# Altium PCB Fri3D_2026_02.PcbDoc (part 3 of 3)
Units mm, origin at the board's own origin, x right, y up, seen from the top; angles counter-clockwise.
Board outline 119 x 54 mm, 2 copper layers (Top Layer, Bottom Layer), stack 1.571 mm thick; 122 components, 92 nets, 487 pads, 187 vias.
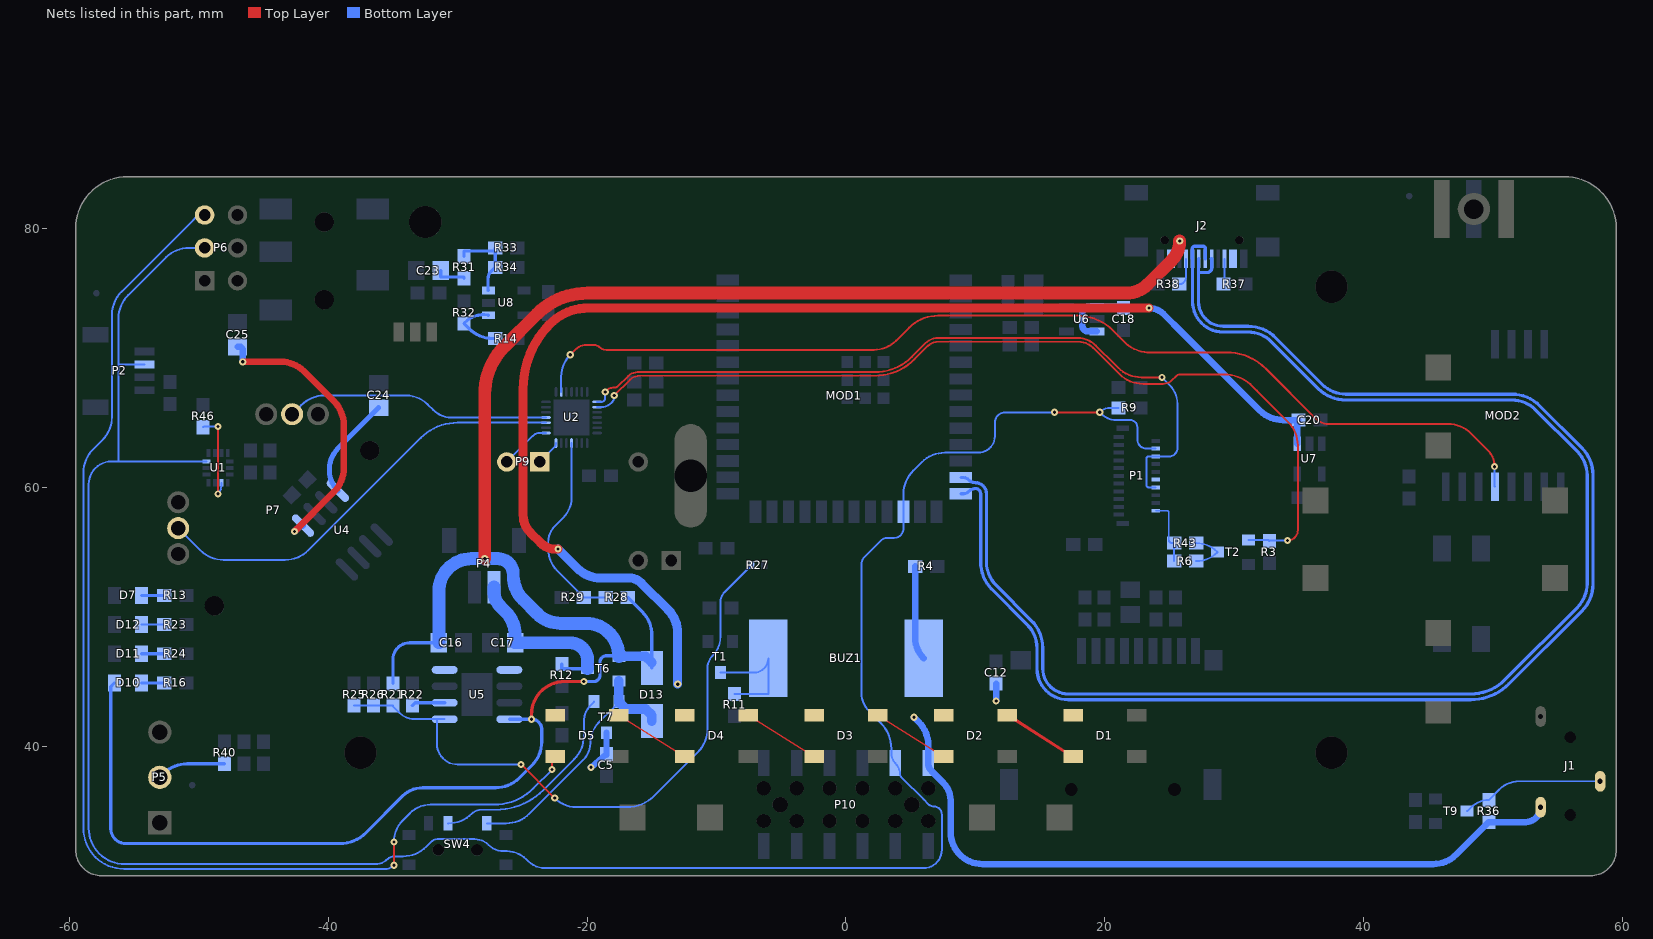
[diagram p3: the nets of this part, all layers, seen from the top]

## Via types
v1: diameter 0.55, hole 0.25, Top Layer to Bottom Layer, 187 vias

## Nets (pads, with @x,y where several pads share a name; then routed paths per layer and width w, separated by ;. In a path a pad name is that pad's centre, name@x,y a point inside that pad or via, vN(x,y) a via of type N, cw(c..) or ccw(c..) an arc to the next point about the centre after c; other vN are vias at no path point) (continued)
I2C.SDA: MOD1.17 P1.18 P2.3 P6.3 P10.9 R9.2 U1.14 | length 187.1
  Top Layer w0.15: v1(16.1,65.8) v1(19.6,65.8)
  Bottom Layer w0.146: P10.9@4.17,37.83 ccw(c4.648,37.928) 4.303,37.583 5.988,35.897
  Bottom Layer w0.15: P2.3@-54.2,69.5 -56.2,69.5 ; P6.3@-49.54,78.5 -50.748,78.5 ccw(c-50.748,75.96) -52.544,77.756 -55.456,74.844 ccw(c-53.66,73.048) -56.2,73.048 -56.2,69.5 ; U1.14@-49.4,62 -56.2,62 ; P10.9@4.17,37.83 4.17,37.832 ccw(c2.942,37.832) P10.9@3.81,38.7 cw(c4.558,39.448) 3.5,39.448 3.5,39.817 ccw(c0.644,39.817) 2.664,41.836 1.785,42.715 cw(c3.199,44.128) 1.2,44.128 1.2,54.055 cw(c2.033,54.055) 1.444,54.644 2.675,55.875 cw(c3.218,55.332) 3.054,56.082 cw(c3.218,55.332) 3.218,56.1 3.7,56.1 ccw(c3.7,56.845) 4.445,56.845 MOD1.17@4.445,58.125 4.445,59.493 cw(c6.985,59.493) 5.189,61.289 5.84,61.94 cw(c7.636,60.144) 7.636,62.684 10.223,62.684 ccw(c10.223,63.961) 11.5,63.961 11.5,64.991 cw(c12.309,64.991) 12.309,65.8 v1(16.1,65.8) ; 5.988,35.897 6.352,35.533 ccw(c6.804,35.985) 6.804,35.346 cw(c6.804,34.75) 7.4,34.75 7.4,32 cw(c6,32) 6,30.6 -23.229,30.6 cw(c-23.229,32.541) -24.705,31.281 ccw(c-26.2,29.786) -26.2,31.9 -26.434,31.9 cw(c-26.434,33.566) -27.612,32.388 ccw(c-28.682,31.318) -28.682,32.831 -31.55,32.831 ccw(c-31.55,32.145) -32.036,32.63 -32.422,32.244 cw(c-34.218,34.04) -34.218,31.5 -34.917,31.5 ccw(c-34.917,30.817) -35.4,31.3 cw(c-36.366,32.266) -36.366,30.9 -55.709,30.9 cw(c-55.709,33.691) -58.5,33.691 -58.5,60.238 cw(c-56.738,60.238) -56.738,62 -56.2,62 ; R9.2@21.05,66.134 20.406,66.134 ccw(c20.406,64.994) v1(19.6,65.8) 19.705,65.695 ccw(c20.9,66.89) 20.9,65.2 21.966,65.2 cw(c21.966,64.666) 22.5,64.666 22.5,63.7 ccw(c23.205,63.7) 23.205,62.995 P1.18@23.928,62.995 ; -56.2,62 -56.2,69.5
JOY.X: P7.2 U2.11 | length 20.6
  Bottom Layer w0.15: P7.2@-42.783,65.652 -42.082,66.353 cw(c-40.286,64.557) -40.286,67.097 -33.984,67.097 cw(c-33.984,64.716) -32.3,66.4 -31.885,65.985 ccw(c-30.473,67.396) -30.473,65.4 U2.11@-23.175,65.4
JOY.Y: P7.5 U2.10 | length 33.4
  Bottom Layer w0.15: P7.5@-51.583,56.852 -49.875,55.144 ccw(c-48.079,56.94) -48.079,54.4 -43.323,54.4 ccw(c-43.323,56.94) -41.527,55.144 -32.843,63.827 cw(c-30.013,60.998) -30.013,65 U2.10@-23.175,65
LCD.BL: R3.2 T2.1 U2.23 | length 71
  Top Layer w0.15: v1(-17.9,67.1) -16.683,68.317 cw(c-15.947,67.581) -15.947,68.622 2.229,68.622 ccw(c2.229,72.951) 5.29,69.89 6.324,70.924 cw(c7.11,70.138) 7.11,71.25 17.967,71.25 cw(c17.967,69.666) 18.546,71.14 ; 18.547,71.14 cw(c17.872,69.522) 19.09,70.783 ; 19.091,70.782 21.129,68.744 ccw(c22.925,70.54) 22.925,68 23.066,68 24.476,68 ccw(c24.476,69.024) 25.2,68.3 25.456,68.556 cw(c25.889,68.124) 25.889,68.735 29.174,68.735 cw(c29.174,65.593) 31.23,67.97 cw(c31.131,67.856) 31.238,67.962 31.73,67.47 ; 31.728,67.472 34.156,65.044 cw(c32.36,63.248) 34.9,63.248 34.9,56.7 cw(c34.1,56.7) v1(34.1,55.9)
  Bottom Layer w0.15: U2.23@-19.225,66.2 -18.908,66.2 ccw(c-18.908,67.325) -18.113,66.529 ccw(c-18.655,67.071) -17.888,67.071 v1(-17.9,67.1) ; T2.1@31.1,55.95 32.6,55.95 R3.2@32.7,55.85 cw(c32.75,55.85) 32.75,55.9 v1(34.1,55.9)
LCD.LED_K: R6.2 R43.2 T2.3 | length 3.7
  Bottom Layer w0.15: R6.2@27.05,54.3 ccw(c27.05,56.593) 28.672,54.972 T2.3@28.7,55 28.672,55.028 ccw(c27.05,53.406) R43.2@27.05,55.7
LCD.R\S\T\: P1.8 P1.16 U2.22 | length 58.3
  Top Layer w0.15: v1(-18.6,67.375) -18.469,67.506 cw(c-18,67.036) -18,67.7 -17.882,67.7 ccw(c-17.882,68.082) -17.612,67.812 -16.823,68.6 cw(c-16.1,67.877) -16.1,68.9 2.227,68.9 ccw(c2.227,72.94) 5.083,70.083 6.134,71.134 cw(c7.138,70.131) 7.138,71.55 17.872,71.55 cw(c17.872,69.522) 19.306,70.956 20.788,69.474 21.017,69.244 ccw(c22.813,71.04) 22.813,68.5 v1(24.4,68.5)
  Bottom Layer w0.15: U2.22@-19.225,66.6 -18.9,66.6 ccw(c-18.9,66.9) -18.6,66.9 v1(-18.6,67.375) ; P1.8@23.928,59.995 23.405,59.995 cw(c23.405,60.2) 23.2,60.2 23.2,62.2 cw(c23.395,62.2) 23.395,62.395 P1.16@23.928,62.395 24.957,62.395 ccw(c24.957,63.038) 25.6,63.038 25.6,66.448 ccw(c23.543,66.448) 24.997,67.903 v1(24.4,68.5)
LCD.TE: P1.10
LED.DOUT: D5.2 P6.5 | length 94.8
  Top Layer w0.15: v1(-34.917,30.817) v1(-34.917,32.6) ; v1(-22.7,38.2) -22.7,39.2 D5.2@-22.45,39.2
  Bottom Layer w0.15: P6.5@-49.54,81.04 ccw(c-49.54,79.833) -50.394,80.686 -55.956,75.124 ccw(c-54.16,73.328) -56.7,73.328 -56.7,65.452 cw(c-59.24,65.452) -57.444,63.656 -58.156,62.944 ccw(c-56.36,61.148) -58.9,61.148 -58.9,33.665 ccw(c-55.762,33.665) -55.762,30.527 -35.618,30.527 ccw(c-35.618,31.518) v1(-34.917,30.817) ; v1(-34.917,32.6) -34.917,32.612 cw(c-32.529,32.612) -34.218,34.3 -33.678,34.84 cw(c-32.085,33.247) -32.085,35.5 -27.18,35.5 ccw(c-27.18,39.797) -24.141,36.759 v1(-22.7,38.2)
LORA.RESET: MOD2.5 U2.16 | length 81.8
  Top Layer w0.15: v1(-21.3,70.244) -20.908,70.635 cw(c-20.028,69.755) -20.028,71 -19.428,71 cw(c-19.428,70.456) -19.043,70.841 ccw(c-18.517,71.367) -18.517,70.623 2.152,70.623 ccw(c2.152,73.058) 3.874,71.336 4.875,72.337 cw(c7.118,70.095) 7.118,73.266 17.869,73.266 cw(c17.87,69.39) 20.611,72.13 21.328,71.413 21.57,71.171 ccw(c23.366,72.967) 21.977,70.84 ccw(c23.502,73.417) 23.069,70.454 ccw(c23.468,73.339) 23.465,70.427 23.559,70.427 29.418,70.427 cw(c29.417,66.204) 32.403,69.189 36.281,65.311 ccw(c37.274,66.304) 37.274,64.9 46.501,64.9 cw(c46.501,62.36) 48.297,64.156 49.568,62.885 cw(c48.283,61.6) v1(50.1,61.6)
  Bottom Layer w0.15: U2.16@-22,67.375 -22,68.554 cw(c-19.61,68.554) v1(-21.3,70.244) ; v1(50.1,61.6) 50.1,60.081 MOD2.5@50.131,60.05
NetBUZ1_1: BUZ1.1 R11.1 T1.3 | length 9.7
  Bottom Layer w0.15: T1.3@-9.7,45.7 -7.1,45.7 ccw(c-7.1,46.8) BUZ1.1@-6,46.8 -6,44.05 R11.1@-8.6,44.05
NetBUZ1_2: BUZ1.2 R4.1 | length 7.3
  Bottom Layer w0.5: R4.1@5.35,53.9 5.35,48.369 ccw(c7.569,48.369) BUZ1.2@6,46.8
NetC23_2: C23.2 R31.2 | length 2.4
  Bottom Layer w0.25: C23.2@-31.3,76.75 -31.3,76.25 -29.5,76.25 R31.2@-29.5,76.15
NetC24_2: C24.2 U4.8 | length 8.1
  Bottom Layer w0.4: U4.8@-39.25,59.744 cw(c-37.681,61.313) -39.9,61.313 -39.9,61.4 cw(c-37.606,61.4) -39.228,63.022 C24.2@-36.1,66.15
NetC25_2: C25.2 U4.5 | length 22.3
  Top Layer w0.5: v1(-46.6,69.7) -43.652,69.7 cw(c-43.652,67.16) -41.856,68.956 -39.544,66.644 cw(c-41.34,64.848) -38.8,64.848 -38.8,61.452 cw(c-41.34,61.452) -39.544,59.656 v1(-42.6,56.6)
  Bottom Layer w0.5: C25.2@-47,70.85 -46.763,70.85 -46.6,70.687 v1(-46.6,69.7) ; v1(-42.6,56.6) -42.047,57.153 U4.5@-41.944,57.05
NetD1_2: D1.2 D2.4 | length 6
  Top Layer w0.25: D2.4@12.45,42.4 13.075,42.025 16.925,39.575 D1.2@17.55,39.2
NetD2_2: D2.2 D3.4 | length 6
  Top Layer w0.15: D3.4@2.45,42.4 3.125,41.975 6.875,39.625 D2.2@7.55,39.2
NetD3_2: D3.2 D4.4 | length 6
  Top Layer w0.15: D4.4@-7.55,42.4 -6.875,41.975 -3.125,39.625 D3.2@-2.45,39.2
NetD4_2: D4.2 D5.4 | length 6
  Top Layer w0.15: D5.4@-17.55,42.4 -16.875,41.975 -13.125,39.625 D4.2@-12.45,39.2
NetD7_2: D7.2 R13.1 | length 1.8
  Bottom Layer w0.25: D7.2@-54.4,51.65 R13.1@-52.65,51.65
NetD10_2: D10.2 R16.1 | length 1.8
  Bottom Layer w0.25: D10.2@-54.4,44.9 R16.1@-52.65,44.9
NetD11_2: D11.2 R24.1 | length 1.8
  Bottom Layer w0.25: D11.2@-54.4,47.15 R24.1@-52.65,47.15
NetD12_2: D12.2 R23.1 | length 1.8
  Bottom Layer w0.15: D12.2@-54.4,49.4 R23.1@-52.65,49.4
NetJ1_3: J1.3 R36.2 T9.3 | length 11.1
  Bottom Layer w0.15: T9.3@47.95,35 ccw(c47.95,35.121) 48.035,35.035 48.284,35.284 cw(c49.65,33.919) R36.2@49.65,35.85 50.478,36.678 cw(c51.98,35.176) 51.98,37.3 J1.3@58.25,37.3
NetJ2_A5: J2.A5 R38.1 | length 2.2
  Bottom Layer w0.15: R38.1@25.75,75.7 ccw(c25.75,76.2) 26.25,76.2 J2.A5@26.25,77.652
NetJ2_B5: J2.B5 R37.1 | length 2
  Bottom Layer w0.15: R37.1@29.15,75.7 ccw(c29.15,75.8) 29.25,75.8 J2.B5@29.25,77.652
NetP1_2: P1.2 R6.1 R43.1 | length 5.1
  Bottom Layer w0.15: P1.2@23.928,58.195 24.84,58.195 24.928,58.107 24.928,55.973 ccw(c25.201,55.973) 25.201,55.7 R43.1@25.35,55.7 R6.1@25.35,54.3
NetP5_2: P5.2 R40.2 | length 5.3
  Bottom Layer w0.25: P5.2@-53,37.6 -52.694,37.906 cw(c-50.898,36.11) -50.898,38.65 R40.2@-48,38.65
NetR14_2: R14.2 R32.1 U8.1 | length 4.9
  Bottom Layer w0.25: U8.1@-27.625,73.3 -27.676,73.325 ccw(c-27.965,71.228) -29.463,72.725 R32.1@-29.5,72.65 -29.094,72.244 ccw(c-27.298,74.04) -27.298,71.5 R14.2@-27.1,71.5
NetR22_1: R22.1 U5.2 | length 2.6
  Bottom Layer w0.25: R22.1@-33.5,43.15 -33.285,43.365 U5.2@-31,43.365
NetR31_1: R31.1 R33.2 R34.2 U8.3 | length 6.3
  Bottom Layer w0.25: R31.1@-29.5,77.85 -29.5,78.25 R33.2@-27.1,78.25 ; U8.3@-27.625,75.2 cw(c-27.565,75.26) -27.65,75.26 -27.65,76.1 cw(c-26.805,76.1) -27.402,76.698 R34.2@-27.1,77 R33.2@-27.1,78.5
NetR46_1: R46.1 U1.9 | length 7.3
  Top Layer w0.15: v1(-48.5,59.5) v1(-48.5,64.7)
  Bottom Layer w0.15: R46.1@-49.65,64.65 -49.6,64.7 v1(-48.5,64.7) ; v1(-48.5,59.5) ccw(c-49.104,60.104) -48.25,60.104 U1.9@-48.25,60.35
PA2: P9.1 U2.7 | length 2
  Bottom Layer w0.15: P9.1@-23.66,61.97 -22.538,63.092 ccw(c-22.871,63.425) U2.7@-22.4,63.425
PA3: P9.2 U2.8 | length 3.9
  Bottom Layer w0.15: P9.2@-26.2,61.97 -24.189,63.981 cw(c-23.66,63.452) -23.66,64.2 U2.8@-23.175,64.2
PWR.EN: SW4.2 T7.1 | length 16.3
  Bottom Layer w0.15: SW4.2@-30.75,34.05 -30.702,34.05 ccw(c-30.702,36.59) -28.906,34.794 cw(c-28.167,34.055) -28.167,35.1 -27.052,35.1 ccw(c-27.052,40.296) -23.378,36.622 -20.994,39.006 ccw(c-22.79,40.802) -20.25,40.802 -20.25,41.893 cw(c-18.423,41.893) -19.715,43.185 T7.1@-19.45,43.45
TEMP: R21.2 R25.1 R26.1 R27.1 U5.1 | length 49.1
  Top Layer w0.15: v1(-25.1,38.6) v1(-22.5,36)
  Bottom Layer w0.15: R25.1@-38,43.15 R21.2@-35,43.15 -35,43.1 -34.498,42.597 ccw(c-33.284,43.811) -33.284,42.095 U5.1@-31.6,42.095 ; U5.1@-31,42.095 U5.1@-31.6,42.095 ; v1(-25.1,38.6) -30,38.6 cw(c-30,40.2) -31.6,40.2 U5.1@-31.6,42.095 ; v1(-22.5,36) ccw(c-20.81,37.69) -20.81,35.3 -16.915,35.3 ccw(c-16.915,38.232) -14.841,36.159 -11.444,39.556 ccw(c-13.24,41.352) -10.7,41.352 -10.7,46.034 cw(c-9.334,46.034) -10.3,47 ccw(c-11.749,48.449) -9.7,48.449 -9.7,51.1 cw(c-8.493,51.1) -9.346,51.954 R27.1@-7.3,54
USB.D_n: J2.A7 J2.B7 MOD1.13 | length 115.7
  Bottom Layer w0.25: MOD1.13@8.875,60.77 9.01,60.77 cw(c9.01,60.07) 9.505,60.565 ccw(c10,61.06) 10,60.36 cw(c10,59.51) 10.85,59.51 10.85,54.239 ccw(c13.39,54.239) 11.594,52.442 14.324,49.712 cw(c12.21,47.598) 15.2,47.598 15.2,46 ccw(c17.15,46) 17.15,44.05 48.257,44.05 cw(c48.257,43.6) 48.258,44.05 ccw(c48.259,47.771) 50.89,45.14 ; J2.A7@27.75,77.652 27.75,78.453 ccw(c27.576,78.453) 27.576,78.628 26.924,78.628 ccw(c26.924,78.453) 26.75,78.453 J2.B7@26.75,77.652 26.774,77.629 26.774,76.505 26.774,74.602 26.774,74.346 ccw(c29.123,74.349) 29.119,72 29.122,72 ; 29.123,72 31.061,72 cw(c31.061,69.46) 32.858,71.256 36.488,67.626 ccw(c38.602,69.74) 38.602,66.75 51.448,66.75 cw(c51.448,64.21) 53.244,66.006 56.506,62.744 cw(c54.71,60.948) 57.25,60.948 57.25,52.552 cw(c54.71,52.552) 56.506,50.756 50.891,45.141
USB.D_p: J2.A6 J2.B6 MOD1.14 | length 115.6
  Bottom Layer w0.25: MOD1.14@8.875,59.5 9.01,59.5 ccw(c9.01,60.2) 9.505,59.705 cw(c10,59.21) 10,59.91 cw(c10,59.51) 10.4,59.51 10.4,54.239 ccw(c13.39,54.239) 11.276,52.124 14.006,49.394 cw(c12.21,47.598) 14.75,47.598 14.75,46 ccw(c17.15,46) 17.15,43.6 48.257,43.6 ccw(c48.259,47.771) 51.208,44.822 ; J2.A6@27.25,77.652 ccw(c27.313,77.589) 27.224,77.589 27.224,76.6 ; J2.B6@28.25,77.652 28.25,76.95 cw(c27.9,76.95) 27.9,76.6 27.224,76.6 ; 29.122,72.45 29.12,72.45 cw(c29.123,74.349) 27.224,74.346 27.224,74.6 ccw(c26.774,74.602) 27.224,74.602 27.224,76.6 ; 29.123,72.45 31.061,72.45 cw(c31.061,69.46) 33.176,71.574 36.806,67.944 ccw(c38.602,69.74) 38.602,67.2 51.448,67.2 cw(c51.448,64.21) 53.562,66.324 56.824,63.062 cw(c54.71,60.948) 57.7,60.948 57.7,52.552 cw(c54.71,52.552) 56.824,50.438 51.209,44.822
USB.MON: R28.2 R29.1 U2.4 | length 15.2
  Bottom Layer w0.15: U2.4@-21.2,63.425 -21.2,59.215 cw(c-23.41,59.215) -21.847,57.653 -22.5,57 ccw(c-21.293,55.793) -23,55.793 -23,55.25 ccw(c-20.586,55.25) -22.293,53.543 R29.1@-20.25,51.5 R28.2@-18.55,51.5
VB-S: D13.C SW4.1 T6.2 T7.2 | length 19.8
  Bottom Layer w0.15: SW4.1@-27.75,34.05 -26.252,34.05 ccw(c-26.252,36.59) -24.456,34.794 -20.267,38.983 ccw(c-21.514,40.231) -19.75,40.231 cw(c-17.462,40.231) -19.08,41.849 -17.904,43.025 -17.9,43.025 -17.55,43.375 T7.2@-17.55,43.45
  Bottom Layer w0.75: T7.2@-17.55,43.375 -17.5,43.325 -17.425,43.325 -16.975,42.875 -15.475,42.875 -15,42.4 D13.C@-15,41.95 ; T7.2@-17.55,43.45 T6.2@-17.55,45.05
VBAT: C17.1 P4.2 R12.1 T6.3 U5.5 | length 14.2
  Bottom Layer w0.25: R12.1@-21.95,46.35 -21.95,46 T6.3@-19.95,46
  Bottom Layer w1: P4.2@-27.2,52.3 -27.2,52.007 ccw(c-25.493,52.007) -26.7,50.8 -26.294,50.394 cw(c-28.09,48.598) -25.55,48.598 C17.1@-25.55,48 -21.326,48 cw(c-21.326,46.624) -19.95,46.624 T6.3@-19.95,46
VSYS: C5.1 C12.1 C18.1 C20.1 D1.1 D2.1 D3.1 D4.1 D5.1 J1.1 P10.11 R36.1 T7.3 U6.1 U6.3 U7.1 | length 170.2
  Top Layer w0.7: v1(-22.25,55.25) cw(c-22.444,56.844) -23.579,55.709 -24.378,56.508 cw(c-23.031,57.855) -24.937,57.855 -24.937,67.617 cw(c-17.843,67.617) -22.859,72.633 cw(c-19.92,69.694) -19.92,73.85 v1(23.398,73.85)
  Bottom Layer w0.5: v1@-19.69,38.385 v1(-19.7,38.375) C5.1@-18.5,39.4 ; C5.1@-18.5,39.35 C5.1@-18.5,39.4 ; T7.3@-18.5,41.05 C5.1@-18.5,39.4 ; v1(5.25,42.25) 5.606,41.894 cw(c3.81,40.098) 6.35,40.098 P10.11@6.35,38.7 ccw(c7.205,38.7) 6.6,38.095 7.537,37.159 cw(c6.231,35.853) 8.078,35.853 8.078,33.376 ccw(c10.554,33.376) 10.554,30.9 45.348,30.9 ccw(c45.348,33.44) 47.144,31.644 R36.1@49.65,34.15 52.5,34.15 ccw(c52.5,35.3) J1.1@53.65,35.3 ; v1(11.6,43.5) C12.1@11.6,44.85 ; U6.3@19.375,72.05 18.7,72.05 cw(c18.7,72.5) 18.25,72.5 18.25,73.5 cw(c18.7,73.5) 18.7,73.95 U6.1@19.375,73.95 21.35,73.95 cw(c21.35,73.85) C18.1@21.45,73.85 v1(23.398,73.85) cw(c23.398,72.245) 24.533,73.38 25.995,71.918 26.796,71.116 26.798,71.114 ; U7.1@34.85,63.375 34.85,64.959 cw(c35.191,64.959) C20.1@34.95,65.2 33.765,65.2 cw(c33.765,67.74) 31.969,65.944 26.8,71.113 ; 26.798,71.114 ccw(c28.407,72.724) 26.8,71.113 ; 26.798,71.114 26.8,71.113
  Bottom Layer w0.7: v1(-22.25,55.25) -20.744,53.744 ccw(c-18.948,55.54) -18.948,53 -16.75,53 cw(c-16.75,51.672) -15.811,52.611 -13.744,50.544 cw(c-15.54,48.748) -13,48.748 v1(-13,44.8)
VUSB: C16.1 D10.1 D13.A J2.A4 J2.A9 J2.B4 J2.B9 R21.1 R28.1 T6.1 U5.4 U5.8 | length 173.5
  Top Layer w0.25: v1(-24.295,42.095) -24.295,42.46 cw(c-21.755,42.46) -21.755,45 v1(-20.25,45)
  Top Layer w1: v1(-27.905,54.5) -27.905,67.215 cw(c-22.739,67.215) -26.392,70.868 -23.872,73.388 cw(c-19.981,69.496) -19.981,75 21.622,75 ccw(c21.622,77.421) 23.334,75.709 25.156,77.531 ccw(c23.663,79.025) v1(25.775,79.025)
  Bottom Layer w0.25: D10.1@-56.5,44.9 -56.784,44.616 -56.784,33.646 ccw(c-55.626,33.646) -55.626,32.488 -39.098,32.488 ccw(c-39.098,35.35) -37.074,33.326 -34.227,36.173 cw(c-32.713,34.659) -32.713,36.8 -29.707,36.8 -27.052,36.8 ccw(c-27.052,39.34) -25.256,37.544 -24.244,38.556 ccw(c-26.04,40.352) -23.5,40.352 -23.5,41.3 ccw(c-24.295,41.3) v1(-24.295,42.095) U5.8@-26,42.095 ; R21.1@-35,44.85 -35,46.7 cw(c-33.7,46.7) -33.7,48 C16.1@-31.45,48 ; v1(-20.25,45) -19.5,45 ccw(c-19.5,45.5) -19,45.5 -19,46.5 cw(c-18.5,46.5) -18.5,47 T6.1@-17.75,47 ; R28.1@-16.85,51.5 -15.744,50.394 cw(c-17.54,48.598) -15,48.598 -15,46.475 D13.A@-15,46.05
  Bottom Layer w0.75: T6.1@-17.55,46.95 -15.475,46.95 D13.A@-15,46.475
  Bottom Layer w1: C16.1@-31.45,48 -31.45,51.96 cw(c-28.91,51.96) -28.91,54.5 -26.9,54.5 cw(c-26.9,53.3) -25.7,53.3 -25.7,53.152 ccw(c-23.16,53.152) -24.956,51.356 -23.844,50.244 ccw(c-22.048,52.04) -22.048,49.5 -20.09,49.5 cw(c-20.09,46.96) -17.55,46.96 T6.1@-17.55,46.95
pads on no net: J1.0 J2.0 J2.A8 J2.B8 J3.0 J3.1 J3.8 J3.9 J4.0 M1.1 M2.1 M3.1 M4.1 M5.0 M6.0 M7.0 MOD1.28 MOD1.29 MOD1.30 P1.SH P2.Z1 P2.Z2 P4.M1 P4.M2 P7.MH P10. SW4.M1 SW4.M2 SW4.M3 SW4.M4 SW4.M5 SW4.M6 U1.4 U1.10 U1.11 U2.9 U2.15 U2.26 U2.28 U6.4 U7.4
copper on no net: | length 2
  Top Layer w0.25: -28,81.5 -28,82.5 ; 28,81.5 28,82.5

## Polygon pours and split planes (outlines as drawn)
GND on Top Layer "NONET_L-01_P-001" (solid, remove dead copper, pour order 2): -59.5,30 -59.5,84 59.5,84 59.5,30
VSYS on Top Layer "VSYS_L-01_P-001" (solid, remove dead copper, pour order 0): 18.5,41.25 18.5,44.25 -10.293,44.25 cw(c-10.293,45.957) -11.5,44.75 ccw(c-12.707,43.543) -12.707,45.25 -13.793,45.25 ccw(c-13.793,43.543) -15,44.75 cw(c-16.207,45.957) -16.207,44.25 -22.5,44.25 ccw(c-22.5,43) -23.75,43 -23.75,42.25 ccw(c-23,42.25) -23,41.5 -20.75,41.5 cw(c-20.75,41) -20.25,41 -20.25,38.25 ccw(c-19.75,38.25) -19.75,37.75 ccw(c-19.75,38.5) -19,38.5 -19,40.75 cw(c-18.5,40.75) -18.5,41.25
GND on Bottom Layer "NONET_L-01_P-001" (solid, remove dead copper, pour order 1): -59.483,29.946 -59.483,83.946 59.517,83.946 59.517,29.946

## Keep-outs
Top Layer:
  circle w0.1: c-32.5,80.5 r1.8
  circle w0.1: c37.5,75.5 r1.8
  circle w0.1: c-37.5,39.5 r1.8
  circle w0.1: c37.5,39.5 r1.8
Bottom Layer:
  circle w0.1: c-32.5,80.5 r1.8
  circle w0.1: c37.5,75.5 r1.8
  circle w0.1: c-37.5,39.5 r1.8
  circle w0.1: c37.5,39.5 r1.8
Keep-Out Layer:
  lines w0.15: -27.206,84.9 -20.804,78.498 ccw(c-18.636,80.666) -18.636,77.6 12.636,77.6 ccw(c12.636,80.666) 14.804,78.498 20.603,84.297
  text ".Layer_Name" at 184.902,-39.311 h3.5

## Other copper
Top Layer:
  text ".Layer_Name" at 184.902,-39.311 h3.5
Bottom Layer:
  drawing of 28 lines, arcs and shapes, not listed
  text ".Layer_Name" at 184.902,-39.311 h3.5

## Silkscreen, mask and mechanical layers (free items; w line width, h text height)
Top Overlay:
  drawing of 45 lines, arcs and shapes, not listed
  text "ON" at -32,30.5 h2.5 r90
  text "OFF" at -26.378,30.49 h2.5 r90
  text ".Layer_Name" at 184.902,-39.311 h3.5
Bottom Overlay:
  drawing of 113 lines, arcs and shapes, not listed
  text "IO21" at -45.6,82.65 h1.5
  text "ESP32-S3" at -9.5,81.914 h2.5
  text "IO1" at -24.5,81.553 h1.5
  text "LED" at -50.54,81.04 h1.5
  text "SCL" at -43,79.6 h1.5
  text "Wim" at 43,78.9 h2 r351
  text "SDA" at -50.54,78.5 h1.5
  text "8MB PSRAM / 16MB FLASH" at -9.5,78.501 h2.5
  text "V+" at -50.54,75.96 h1.5
  text "GND" at -43,75.96 h1.5
  text "CS=IO45 / INT=IO40 / RF SW=IO46 / BUSY=IO41" at 58.5,73 h1.5
  text "LoRa" at 58.581,71.676 h2
  text "IO" at -27.119,70.776 h2
  text "LCD" at 18.681,69.576 h2
  text "DCK/SCL=IO42 / DIO/SDA=IO39 / BOOT/INT=IO3" at -23.8,67.1 h1.5
  text "CS=IO5 / DC=IO4 / INT=IO13" at 18.42,66.409 h1.5
  text "CH32X035" at -24.236,64.483 h2.5
  text "SPI" at 30.151,62.376 h2
  text "Y" at -51.75,60.5 h2
  text "X" at -50.5,60.5 h2
  text "BOOT" at -14.9,59.8 h1.5 r270
  text "CLK=IO7 / MISO=IO8 / MOSI=IO6" at 32,59.2 h1.5
  text "PA2 /  /  / PA3" at -26.7,58.8 h1.5 r270
  text "IO48" at -43.516,56.833 h1.5
  text "IO38" at 1.27,53.344 h1.5
  text "+" at -26.781,51.509 h1.5 r180
  text "+3V3 /  / GND" at -16.4,50.7 h1.5 r270
  text "D" at -57.532,50.652 h3.5
  text "RESET" at 50.1,48.8 h2 r270
  text "S" at -57.406,48.402 h3.5
  text "C" at -57.282,46.152 h3.5
  text "IO10" at 55.944,45.14 h1.5
  text "+" at -57.388,43.423 h5
  text ".PCB_TITLE / Rev. .PCB_Rev" at 49.291,42.787 h2.5 r359.98
  text "IO14" at 32.259,39.946 h1.5
  text "+" at -57.163,39.338 h5
  text "GND" at -5.58,38.29 h1.5 r270
  text "44" at -3.04,38.29 h1.5 r270
  text "47" at -0.5,38.29 h1.5 r270
  text "15" at 2.04,38.29 h1.5 r270
  text "SDA" at 4.58,38.29 h1.5 r270
  text "VSYS" at 7.12,38.29 h1.5 r270
  text "i" at -56.49,35.69 h5
  text "-" at -57.163,32.038 h5
  text "START=BOOT=IO0 / MIC in=IO1=ADC1 CH0 / I²C SDA=IO9, SCL=IO18" at 41.5,31.531 h1.5
  text "ON" at -36,30.5 h2.5 r270
  text "OFF" at -25.378,30.49 h2.5 r270
  text "15V MAX" at -49.5,30 h2
  text "3V" at -5.58,29.71 h1.5 r270
  text "43" at -3.04,29.71 h1.5 r270
  text "2" at -0.5,29.71 h1.5 r270
  text "16" at 2.04,29.71 h1.5 r270
  text "17" at 4.58,29.71 h1.5 r270
  text "SCL" at 7.12,29.71 h1.5 r270
  text ".Layer_Name" at 184.902,-39.311 h3.5
Top Paste:
  text ".Layer_Name" at 184.902,-39.311 h3.5
Bottom Paste:
  text ".Layer_Name" at 184.902,-39.311 h3.5
Top Solder:
  text "X" at 46.982,61.49 h3
  text "Y" at 37.484,51.24 h3
  text "A" at 55.898,51.24 h3
  text "B" at 47.054,40.99 h3
  text "M" at -19.856,33.24 h3
  text "S" at 18.119,33.24 h3
  text ".Layer_Name" at 184.902,-39.311 h3.5
Bottom Solder:
  text ".Layer_Name" at 184.902,-39.311 h3.5
Drill Guide:
  text ".Layer_Name" at 184.902,-39.311 h3.5
3D Symbols:
  text ".Layer_Name" at 184.902,-39.311 h3.5
Board Outline:
  lines w0.1: -58.5,80 cw(c-55.5,80) -55.5,83 -54.5,83 cw(c-54.5,82.1) -53.6,82.1 ; -58.5,80 ccw(c-58.5,80) -58.5,80 ; -58.5,80 ccw(c-58.5,80) -58.5,80 ; -58.5,80 -58.5,79 ccw(c-57.6,79) -57.6,78.1 -56.6,78.1 ccw(c-56.6,81.1) -53.6,81.1 -53.6,82.1 ; -53.6,82.1 ccw(c-53.6,82.1) -53.6,82.1 ; 53.6,82.1 ccw(c53.6,82.1) 53.6,82.1 ; 53.6,82.1 cw(c54.5,82.1) 54.5,83 55.5,83 cw(c55.5,80) 58.5,80 ; 53.6,82.1 53.6,81.1 ccw(c56.6,81.1) 56.6,78.1 57.6,78.1 ccw(c57.6,79) 58.5,79 58.5,80 ; 58.5,80 ccw(c58.5,80) 58.5,80 ; 58.5,80 ccw(c58.5,80) 58.5,80 ; -59.5,32 ccw(c-57.5,32) -57.5,30 57.5,30 ccw(c57.5,32) 59.5,32 59.5,80 ccw(c55.5,80) 55.5,84 -55.5,84 ccw(c-55.5,80) -59.5,80 -59.5,32 ; 39.23,30 39.23,30
Comments:
  lines w0.1: -29.4,45.7 -22.51,45.7 ; -22.51,57.59 -76.82,57.59 -76.82,64.19 -22.51,64.19 ; -22.51,45.7 23.69,45.7 23.69,79.89 -22.51,79.89 -22.51,45.7 ; -29.4,45.72 ccw(c-28.13,45.72) -28.13,44.45 28.13,44.45 ccw(c28.13,45.72) 29.4,45.72 29.4,80.28 ccw(c28.13,80.28) 28.13,81.55 -28.13,81.55 ccw(c-28.13,80.28) -29.4,80.28 -29.4,45.72
  lines w0.3: -26.82,60.89 27.49,60.89
  text "Paracord 425 Type II = 3mm" at 69.923,104.779 h2
  text "Paracord 550 Type III = 4mm" at 69.846,100.675 h2
  text ".Layer_Name" at 184.902,-39.311 h3.5
Fabrication:
  rectangle: -33.294,28.3 -26.617,30
  rectangle: 22.4,84 32.732,85.5
  rectangle: -43.6,84 -36.923,85.7
  lines w0.15: -35.6,86.5 -36.2,85.9 ; -35.3,85.9 -36.2,85.9 ; -29.7,31.8 -29.6,30.7 ; -28.9,31.5 -29.6,30.7 ; -13.4,93.9 -36.2,85.9 ; -9.9,93.3 -29.6,30.7 ; -0.1,93.5 22.2,85.6 ; 21.1,85.6 22.2,85.6 ; 21.423,86.339 22.2,85.6
  text "No Mousebites in these areas" at -17.15,94.55 h0.8
  text "Purple Solder Mask RGB #8835C9" at -111,-7.5 h1.5
  text "Light Green Silkscreen RGB #3CE8B3" at -111,-10.5 h1.5
  text "1.6mm Thickness" at -111,-16.5 h1.5
  text ".Layer_Name" at 184.902,-39.311 h3.5
Top Placebound:
  text ".Layer_Name" at 184.902,-39.311 h3.5
Bottom Placebound:
  text ".Layer_Name" at 184.902,-39.311 h3.5
Frame:
  drawing of 15 lines, arcs and shapes, not listed
  text "Document" at 180.402,-24.311 h2
  text ".PCB_TITLE" at 181.902,-29.811 h3.2
  text "Layer Name" at 180.402,-34.311 h2
  text "Date" at 180.402,-44.311 h2
  text "Rev" at 220.402,-44.311 h2
  text ".Print_Date" at 183.402,-49.811 h3.5
  text ".PCB_REV" at 224.902,-49.811 h4
  text "Desginer" at 130.402,-54.311 h2
  text "Document" at 180.402,-54.311 h2
  text ".Pcb_File_Name_No_Path" at 181.902,-59.311 h1.5
  text ".PCB_ENGINEER" at 134.902,-59.811 h4
Top Assembly:
  text ".Layer_Name" at 184.902,-39.311 h3.5
Bottom Assembly:
  text ".Layer_Name" at 184.902,-39.311 h3.5
Drill Drawing:
  circle w0.15: c72.105,76.094 r0.444
  circle w0.15: c72.105,74.094 r0.267
  circle w0.15: c72.105,74.094 r0.444
  lines w0.15: 70.858,65.05 207.573,65.05 ; 70.858,93.05 207.573,93.05 ; 78.256,63.05 78.256,95.05 ; 86.287,63.05 86.287,95.05 ; 100.983,63.05 100.983,95.05 ; 107.781,63.05 107.781,95.05 ; 117.619,63.05 117.619,95.05 ; 137.646,63.05 137.646,95.05 ; 145.564,63.05 145.564,95.05 ; 155.561,63.05 155.561,95.05 ; 173.456,63.05 173.456,95.05 ; 188.818,63.05 188.818,95.05 ; 70.858,63.05 207.573,63.05 207.573,95.05 70.858,95.05 70.858,63.05 ; 71.66,65.65 72.105,65.872 72.549,65.65 72.327,66.094 72.549,66.539 72.105,66.317 71.66,66.539 71.882,66.094 71.66,65.65 ; 71.66,67.65 71.66,67.872 71.882,68.094 71.66,68.317 71.66,68.539 71.882,68.539 72.105,68.317 72.327,68.539 72.549,68.539 72.549,68.317 72.327,68.094 72.549,67.872 72.549,67.65 72.327,67.65 72.105,67.872 71.882,67.65 71.66,67.65 ; 71.66,70.539 72.549,70.539 72.105,69.65 71.66,70.539 ; 71.66,71.65 72.549,71.65 72.549,72.539 71.66,72.539 71.66,71.65 ; 71.66,77.65 72.549,77.65 72.549,78.539 71.66,78.539 71.66,77.65 ; 71.66,79.872 71.882,79.872 72.105,79.65 72.327,79.872 72.549,79.872 72.327,80.094 72.549,80.317 72.327,80.317 72.105,80.539 71.882,80.317 71.66,80.317 71.882,80.094 71.66,79.872 ; 71.66,82.094 72.105,81.65 72.549,82.094 72.105,82.539 71.66,82.094 ; 71.66,83.872 71.882,83.872 72.105,83.65 72.327,83.872 72.549,83.872 72.327,84.094 72.549,84.317 72.327,84.317 72.105,84.539 71.882,84.317 71.66,84.317 71.882,84.094 71.66,83.872 ; 71.66,85.65 72.105,85.872 72.549,85.65 72.327,86.094 72.549,86.539 72.105,86.317 71.66,86.539 71.882,86.094 71.66,85.65 ; 71.66,87.872 71.882,87.872 71.882,87.65 72.327,87.65 72.327,87.872 72.549,87.872 72.549,88.317 72.327,88.317 72.327,88.539 71.882,88.539 71.882,88.317 71.66,88.317 71.66,87.872 ; 71.66,90.539 72.549,90.539 72.105,89.65 71.66,90.539 ; 71.838,77.828 72.371,77.828 72.371,78.361 71.838,78.361 71.838,77.828 ; 71.838,79.961 71.971,79.961 72.105,79.828 72.238,79.961 72.371,79.961 72.238,80.094 72.371,80.228 72.238,80.228 72.105,80.361 71.971,80.228 71.838,80.228 71.971,80.094 71.838,79.961 ; 71.838,85.828 72.105,85.961 72.371,85.828 72.238,86.094 72.371,86.361 72.105,86.228 71.838,86.361 71.971,86.094 71.838,85.828 ; 71.838,90.361 72.371,90.361 72.105,89.828 71.838,90.361
  text "Symbol" at 72.058,93.65 h0.96
  text "Count" at 78.856,93.65 h0.96
  text "Hole Size" at 86.887,93.65 h0.96
  text "Plated" at 101.583,93.65 h0.96
  text "Hole Type" at 108.381,93.65 h0.96
  text "Drill Layer Pair" at 118.219,93.65 h0.96
  text "Via/Pad" at 138.246,93.65 h0.96
  text "Pad Shape" at 146.164,93.65 h0.96
  text "Template" at 156.161,93.65 h0.96
  text "Hole Length" at 174.056,93.65 h0.96
  text "Routed Path Length" at 189.418,93.65 h0.96
  text "1" at 78.856,91.65 h0.8
  text "1.500mm (59.06mil)" at 86.887,91.65 h0.8
  text "PTH" at 101.583,91.65 h0.8
  text "Round" at 108.381,91.65 h0.8
  text "Top Layer - Bottom Layer" at 118.219,91.65 h0.8
  text "Pad" at 138.246,91.65 h0.8
  text "Rounded" at 146.164,91.65 h0.8
  text "c250h150" at 156.161,91.65 h0.8
  text "-" at 174.056,91.65 h0.8
  text "-" at 189.418,91.65 h0.8
  text "B" at 71.658,91.5 h0.89
  text "1" at 78.856,89.65 h0.8
  text "2.500mm (98.43mil)" at 86.887,89.65 h0.8
  text "NPTH" at 101.583,89.65 h0.8
  text "Slot" at 108.381,89.65 h0.8
  text "Top Layer - Bottom Layer" at 118.219,89.65 h0.8
  text "Pad" at 138.246,89.65 h0.8
  text "Rounded" at 146.164,89.65 h0.8
  text "r800_250hn250_800r125" at 156.161,89.65 h0.8
  text "8.000mm (314.96mil)" at 174.056,89.65 h0.8
  text "5.500mm (216.54mil)" at 189.418,89.65 h0.8
  text "2" at 78.856,87.65 h0.8
  text "0.650mm (25.59mil)" at 86.887,87.65 h0.8
  text "NPTH" at 101.583,87.65 h0.8
  text "Round" at 108.381,87.65 h0.8
  text "Top Layer - Bottom Layer" at 118.219,87.65 h0.8
  text "Pad" at 138.246,87.65 h0.8
  text "Rounded" at 146.164,87.65 h0.8
  text "c65hn65" at 156.161,87.65 h0.8
  text "-" at 174.056,87.65 h0.8
  text "-" at 189.418,87.65 h0.8
  text "2" at 78.856,85.65 h0.8
  text "1.000mm (39.37mil)" at 86.887,85.65 h0.8
  text "NPTH" at 101.583,85.65 h0.8
  text "Round" at 108.381,85.65 h0.8
  text "Top Layer - Bottom Layer" at 118.219,85.65 h0.8
  text "Pad" at 138.246,85.65 h0.8
  text "Rounded" at 146.164,85.65 h0.8
  text "c0hn100" at 156.161,85.65 h0.8
  text "-" at 174.056,85.65 h0.8
  text "-" at 189.418,85.65 h0.8
  text "2" at 78.856,83.65 h0.8
  text "1.200mm (47.24mil)" at 86.887,83.65 h0.8
  text "NPTH" at 101.583,83.65 h0.8
  text "Round" at 108.381,83.65 h0.8
  text "Top Layer - Bottom Layer" at 118.219,83.65 h0.8
  text "Pad" at 138.246,83.65 h0.8
  text "Rounded" at 146.164,83.65 h0.8
  text "c120hn120" at 156.161,83.65 h0.8
  text "-" at 174.056,83.65 h0.8
  text "-" at 189.418,83.65 h0.8
  text "3" at 78.856,81.65 h0.8
  text "0.400mm (15.75mil)" at 86.887,81.65 h0.8
  text "PTH" at 101.583,81.65 h0.8
  text "Slot" at 108.381,81.65 h0.8
  text "Top Layer - Bottom Layer" at 118.219,81.65 h0.8
  text "Pad" at 138.246,81.65 h0.8
  text "Rounded" at 146.164,81.65 h0.8
  text "r160_80h40_120r40" at 156.161,81.65 h0.8
  text "1.200mm (47.24mil)" at 174.056,81.65 h0.8
  text "0.800mm (31.50mil)" at 189.418,81.65 h0.8
  text "3" at 78.856,79.65 h0.8
  text "1.200mm (47.24mil)" at 86.887,79.65 h0.8
  text "PTH" at 101.583,79.65 h0.8
  text "Round" at 108.381,79.65 h0.8
  text "Top Layer - Bottom Layer" at 118.219,79.65 h0.8
  text "Pad" at 138.246,79.65 h0.8
  text "(Mixed)" at 146.164,79.65 h0.8
  text "(Mixed)" at 156.161,79.65 h0.8
  text "-" at 174.056,79.65 h0.8
  text "-" at 189.418,79.65 h0.8
  text "4" at 78.856,77.65 h0.8
  text "0.900mm (35.43mil)" at 86.887,77.65 h0.8
  text "NPTH" at 101.583,77.65 h0.8
  text "Round" at 108.381,77.65 h0.8
  text "Top Layer - Bottom Layer" at 118.219,77.65 h0.8
  text "Pad" at 138.246,77.65 h0.8
  text "Rounded" at 146.164,77.65 h0.8
  text "(Mixed)" at 156.161,77.65 h0.8
  text "-" at 174.056,77.65 h0.8
  text "-" at 189.418,77.65 h0.8
  text "4" at 78.856,75.65 h0.8
  text "1.500mm (59.06mil)" at 86.887,75.65 h0.8
  text "NPTH" at 101.583,75.65 h0.8
  text "Round" at 108.381,75.65 h0.8
  text "Top Layer - Bottom Layer" at 118.219,75.65 h0.8
  text "Pad" at 138.246,75.65 h0.8
  text "Rounded" at 146.164,75.65 h0.8
  text "c150hn150" at 156.161,75.65 h0.8
  text "-" at 174.056,75.65 h0.8
  text "-" at 189.418,75.65 h0.8
  text "4" at 78.856,73.65 h0.8
  text "2.500mm (98.43mil)" at 86.887,73.65 h0.8
  text "PTH" at 101.583,73.65 h0.8
  text "Round" at 108.381,73.65 h0.8
  text "Top Layer - Bottom Layer" at 118.219,73.65 h0.8
  text "Pad" at 138.246,73.65 h0.8
  text "Rounded" at 146.164,73.65 h0.8
  text "c250h250" at 156.161,73.65 h0.8
  text "-" at 174.056,73.65 h0.8
  text "-" at 189.418,73.65 h0.8
  text "6" at 78.856,71.65 h0.8
  text "1.100mm (43.31mil)" at 86.887,71.65 h0.8
  text "PTH" at 101.583,71.65 h0.8
  text "Round" at 108.381,71.65 h0.8
  text "Top Layer - Bottom Layer" at 118.219,71.65 h0.8
  text "Pad" at 138.246,71.65 h0.8
  text "Rounded" at 146.164,71.65 h0.8
  text "c170h110" at 156.161,71.65 h0.8
  text "-" at 174.056,71.65 h0.8
  text "-" at 189.418,71.65 h0.8
  text "11" at 78.856,69.65 h0.8
  text "0.900mm (35.43mil)" at 86.887,69.65 h0.8
  text "PTH" at 101.583,69.65 h0.8
  text "Round" at 108.381,69.65 h0.8
  text "Top Layer - Bottom Layer" at 118.219,69.65 h0.8
  text "Pad" at 138.246,69.65 h0.8
  text "(Mixed)" at 146.164,69.65 h0.8
  text "(Mixed)" at 156.161,69.65 h0.8
  text "-" at 174.056,69.65 h0.8
  text "-" at 189.418,69.65 h0.8
  text "12" at 78.856,67.65 h0.8
  text "1.100mm (43.31mil)" at 86.887,67.65 h0.8
  text "NPTH" at 101.583,67.65 h0.8
  text "Round" at 108.381,67.65 h0.8
  text "Top Layer - Bottom Layer" at 118.219,67.65 h0.8
  text "Pad" at 138.246,67.65 h0.8
  text "Rounded" at 146.164,67.65 h0.8
  text "c110hn110" at 156.161,67.65 h0.8
  text "-" at 174.056,67.65 h0.8
  text "-" at 189.418,67.65 h0.8
  text "187" at 78.856,65.65 h0.8
  text "0.250mm (9.84mil)" at 86.887,65.65 h0.8
  text "PTH" at 101.583,65.65 h0.8
  text "Round" at 108.381,65.65 h0.8
  text "Top Layer - Bottom Layer" at 118.219,65.65 h0.8
  text "Via" at 138.246,65.65 h0.8
  text "Rounded" at 146.164,65.65 h0.8
  text "v55h25m35" at 156.161,65.65 h0.8
  text "-" at 174.056,65.65 h0.8
  text "-" at 189.418,65.65 h0.8
  text "242 Total" at 78.856,63.65 h0.8
  text "Slot definitions :" at 72.058,61.684 h0.8
  text "Routed Path Length" at 85.874,61.684 h0.8
  text "= Calculated from tool start centre position to tool end centre position." at 100.623,61.684 h0.8
  text "Hole Length" at 85.874,60.317 h0.8
  text "= Routed Path Length + Tool Size = Slot length as defined in the PCB layout" at 95.158,60.317 h0.8
  text ".Layer_Name" at 184.902,-39.311 h3.5
Panel:
  text ".Layer_Name" at 184.902,-39.311 h3.5

## Dimensions
-55.5,84 to -57.5,30 on Fabrication
-59.5,32 to 59.5,32 on Fabrication

## Text inside footprints (layer, text, board x,y; h text height)
J2: Comments "PCB Edge" at 25.2,84.7 h0.61 r180
J3: Comments "uSD CARD" at 25.7,28.6 h1.2
P1: Comments "Cable Entry" at 19.923,58.308 h0.5 r270
P3: Comments "PCB EDGE" at 51.6,84.15 h0.8
P5: Comments "IN" at -55.5,35.27 h0.8 r270